# Altium PCB Urukul.PcbDoc (part 6 of 12) (continued)
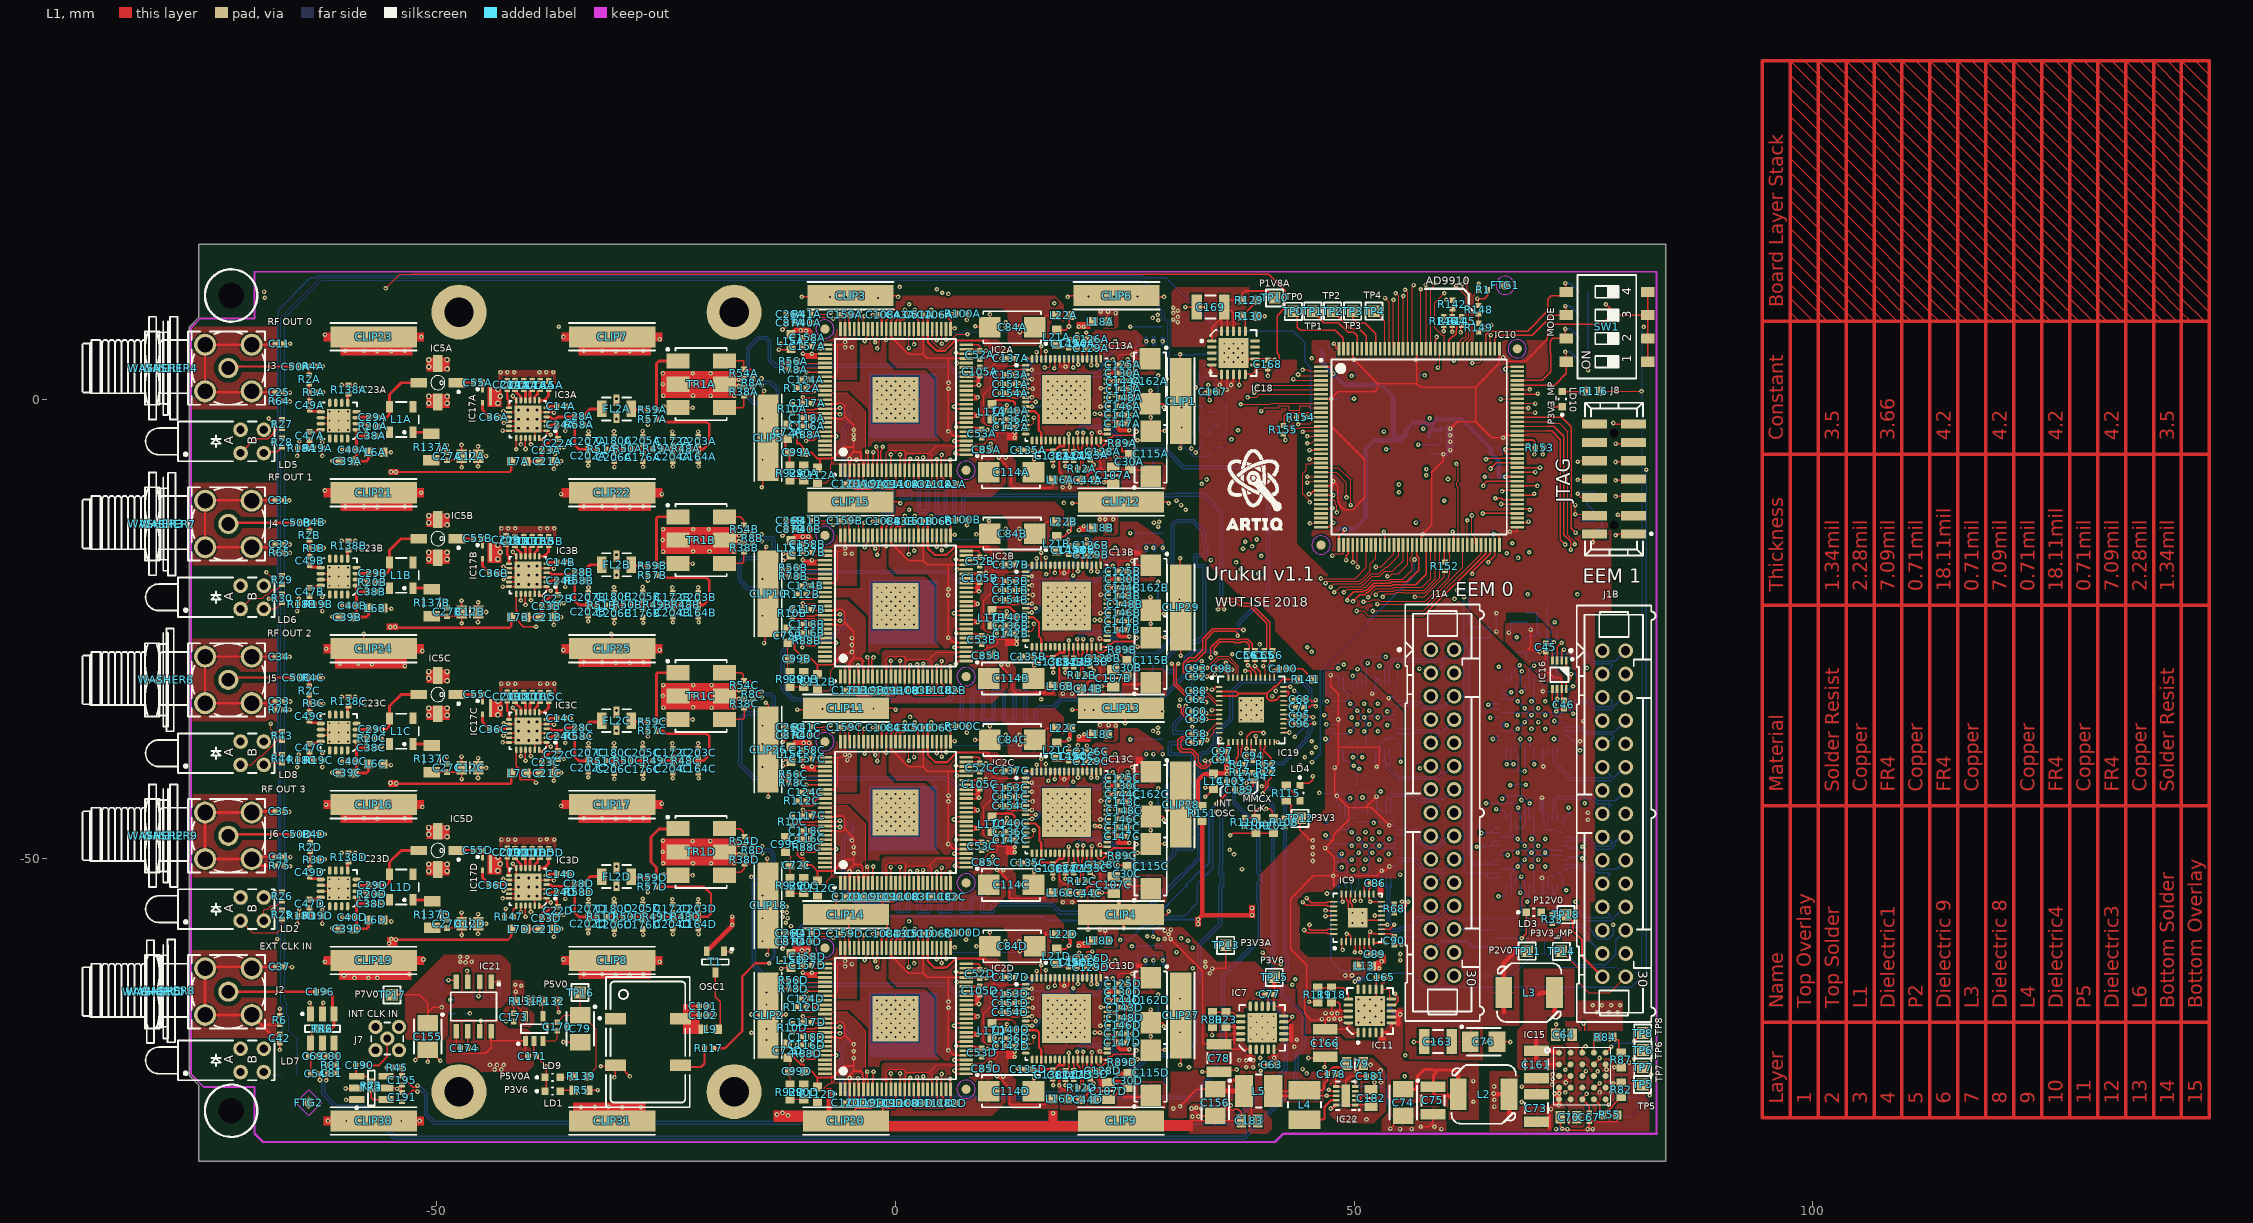
[diagram p0: L1 view]
## Nets (pads, with @x,y where several pads share a name; then routed paths per layer and width w, separated by ;. In a path a pad name is that pad's centre, name@x,y a point inside that pad or via, vN(x,y) a via of type N, cw(c..) or ccw(c..) an arc to the next point about the centre after c; other vN are vias at no path point) (continued)
-8.692,-26.542 -8.65,-26.5 IC2B.96@-7.7,-26.5 v1(-6.478,-26.5) ; R88A.1@-10.15,-3.803 -9.75,-4.203 ; C117D.1@-10.1,-67.878 v1@-10.1,-67.368 ; v1(-10.1,-67.228) v1@-10.1,-67.368 ; C158D.1@-10.1,-60.75 C157D.1@-10.1,-61.65 v1(-10.1,-62.478) -10.078,-62.5 v1(-9.125,-62.5) ; C117C.1@-10.1,-45.378 v1@-10.1,-44.868 ; v1(-10.1,-44.728) v1@-10.1,-44.868 ; C158C.1@-10.1,-38.25 C157C.1@-10.1,-39.15 v1(-10.1,-39.978) -10.078,-40 v1(-9.125,-40) ; C117B.1@-10.1,-22.878 v1@-10.1,-22.368 ; v1(-10.1,-22.228) v1@-10.1,-22.368 ; C158B.1@-10.1,-15.75 C157B.1@-10.1,-16.65 v1(-10.1,-17.478) -10.078,-17.5 v1(-9.125,-17.5) ; C117A.1@-10.1,-0.378 v1@-10.1,0.132 ; v1(-10.1,0.272) v1@-10.1,0.132 ; C158A.1@-10.1,6.75 C157A.1@-10.1,5.85 v1(-10.1,5.022) -10.078,5 v1(-9.125,5) ; v1(-9.75,-4.5) -9.75,-4.203 ; IC2D.88@-7.7,-67.5 -8.65,-67.5 -8.662,-67.488 -8.662,-67.473 -8.808,-67.328 -9.9,-67.328 -9.94,-67.368 v1@-10.1,-67.368 ; IC2D.79@-7.7,-63 -8.953,-63 -9.125,-62.828 v1(-9.125,-62.5) ; IC2D.78@-7.7,-62.5 v1(-9.125,-62.5) ; IC2C.88@-7.7,-45 -8.65,-45 -8.662,-44.988 -8.662,-44.973 -8.808,-44.828 -9.9,-44.828 -9.94,-44.868 v1@-10.1,-44.868 ; IC2C.79@-7.7,-40.5 -8.953,-40.5 -9.125,-40.328 v1(-9.125,-40) ; IC2C.78@-7.7,-40 v1(-9.125,-40) ; IC2B.88@-7.7,-22.5 -8.65,-22.5 -8.662,-22.488 -8.662,-22.473 -8.808,-22.328 -9.9,-22.328 -9.94,-22.368 v1@-10.1,-22.368 ; IC2B.79@-7.7,-18 -8.953,-18 -9.125,-17.828 v1(-9.125,-17.5) ; IC2B.78@-7.7,-17.5 v1(-9.125,-17.5) ; IC2A.88@-7.7,0 -8.65,0 -8.662,0.012 -8.662,0.027 -8.808,0.172 -9.9,0.172 -9.94,0.132 v1@-10.1,0.132 ; IC2A.79@-7.7,4.5 -8.953,4.5 -9.125,4.672 v1(-9.125,5) ; IC2A.78@-7.7,5 v1(-9.125,5) ; v1(-6.478,-4) IC2A.96@-7.7,-4 -8.65,-4 -8.692,-4.042 -8.692,-4.215 -8.891,-4.414 -9.538,-4.414 -9.601,-4.351 -9.75,-4.203 ; v1(-6.471,-54.042) -6.471,-55.081 CLIP14.1@-5.4,-56.153 ; IC2D.73@-5,-59.8 -5.075,-59.725 C159D.1@-5.075,-58.225 ; IC2C.73@-5,-37.3 -5.075,-37.225 C159C.1@-5.075,-35.725 -4.494,-35.725 -4.453,-35.725 -4.494,-35.766 v1(-4.494,-35.77) ; IC2B.73@-5,-14.8 -5.075,-14.725 C159B.1@-5.075,-13.225 -4.494,-13.225 -4.453,-13.225 -4.494,-13.266 v1(-4.494,-13.27) ; IC2A.73@-5,7.7 -5.075,7.775 C159A.1@-5.075,9.275 -4.494,9.275 -4.453,9.275 -4.494,9.234 v1(-4.494,9.23) ; CLIP15.1@-4.9,-11.153 0.389,-11.153 v1(0.529,-11.292) ; C120C.1@-4.525,-54.178 C120C.1@-4.449,-54.101 ; C120B.1@-4.525,-31.678 C120B.1@-4.449,-31.601 ; IC2D.4@-4.5,-75.2 -4.5,-76.55 C120D.1@-4.449,-76.601 ; IC2C.4@-4.5,-52.7 -4.5,-54.05 C120C.1@-4.449,-54.101 ; IC2B.4@-4.5,-30.2 -4.5,-31.55 C120B.1@-4.449,-31.601 ; IC2A.4@-4.5,-7.7 -4.5,-9.05 C120A.1@-4.449,-9.101 ; v1(-4.494,-58.27) -4.494,-58.266 -4.453,-58.225 -4.494,-58.225 C159D.1@-5.075,-58.225 ; v1(-4.093,-73.986) -4.093,-75.107 IC2D.5@-4,-75.2 -4,-76.153 C120D.1@-4.449,-76.601 ; v1(-4.093,-51.481) -4.093,-52.607 IC2C.5@-4,-52.7 -4,-53.653 C120C.1@-4.449,-54.101 ; v1(-4.093,-28.977) -4.093,-30.107 IC2B.5@-4,-30.2 -4,-31.153 C120B.1@-4.449,-31.601 ; IC2A.5@-4,-7.7 -4,-8.653 C120A.1@-4.449,-9.101 ; IC2D.65@-1,-59.8 -1,-58.827 -0.825,-58.652 C108D.1@-0.825,-58.253 -0.901,-58.176 -0.901,-57.038 -1.787,-56.153 CLIP14.1@-2.582,-56.153 ; v1(-1,-38.478) IC2C.65@-1,-37.3 -1,-36.348 -0.825,-36.173 C108C.1@-0.825,-35.753 ; v1(-1,-15.978) IC2B.65@-1,-14.8 -1,-13.869 -0.825,-13.694 C108B.1@-0.825,-13.253 ; v1(-1,6.522) IC2A.65@-1,7.7 -1,8.661 -0.825,8.836 C108A.1@-0.825,9.247 ; IC2D.13@0,-75.2 0.05,-75.25 0.05,-76.475 C110D.1@0.3,-76.725 0.3,-76.767 -0.196,-77.263 -1.004,-77.263 -1.032,-77.235 -1.5,-77.235 C109D.1@-1.5,-76.725 v1(-2.1,-76.725) -2.45,-76.725 -2.45,-77.092 -2.621,-77.263 -4.165,-77.263 -4.325,-77.103 ; IC2D.63@0,-59.8 0,-58.928 0.137,-58.791 0.525,-58.791 ; IC2C.13@0,-52.7 0.05,-52.75 0.05,-53.975 C110C.1@0.3,-54.225 0.3,-54.267 -0.196,-54.763 -1.004,-54.763 -1.032,-54.735 -1.5,-54.735 ; IC2C.63@0,-37.3 0,-36.428 0.137,-36.291 0.525,-36.291 ; IC2B.13@0,-30.2 0.05,-30.25 0.05,-31.475 C110B.1@0.3,-31.725 0.3,-31.767 -0.196,-32.263 -1.004,-32.263 -1.032,-32.235 -1.5,-32.235 C109B.1@-1.5,-31.725 v1(-2.1,-31.725) -2.45,-31.725 -2.45,-32.083 -2.631,-32.263 -4.131,-32.263 -4.325,-32.069 -4.325,-31.725 C120B.1@-4.449,-31.601 ; IC2B.63@0,-14.8 0,-13.928 0.137,-13.791 0.525,-13.791 ; IC2A.13@0,-7.7 0.05,-7.75 0.05,-8.975 C110A.1@0.3,-9.225 0.3,-9.267 -0.196,-9.763 -1.004,-9.763 -1.032,-9.735 -1.5,-9.735 C109A.1@-1.5,-9.225 v1(-2.1,-9.225) -2.45,-9.225 -2.45,-9.579 -2.634,-9.763 -4.45,-9.763 -4.525,-9.688 C120A.1@-4.525,-9.178 C120A.1@-4.449,-9.101 ; IC2A.63@0,7.7 0,8.572 0.137,8.709 0.525,8.709 ; v1(1.025,-57.678) C43D.1@1.025,-58.253 1.025,-58.763 0.557,-58.763 0.529,-58.791 0.525,-58.791 ; v1(1.025,-35.178) C43C.1@1.025,-35.753 1.025,-36.263 0.557,-36.263 0.529,-36.291 0.525,-36.291 ; v1(1.025,-12.678) C43B.1@1.025,-13.253 1.025,-13.763 0.557,-13.763 0.529,-13.791 0.525,-13.791 ; v1(1.025,9.822) C43A.1@1.025,9.247 1.025,8.737 0.557,8.737 0.529,8.709 0.525,8.709 ; IC2D.16@1.5,-75.2 1.5,-74.25 1.606,-74.144 v1(1.606,-73.945) ; IC2C.16@1.5,-52.7 1.5,-51.75 1.606,-51.644 v1(1.606,-51.445) ; IC2B.16@1.5,-30.2 1.5,-29.25 1.606,-29.144 v1(1.606,-28.945) ; IC2A.16@1.5,-7.7 1.5,-6.75 1.606,-6.644 v1(1.606,-6.445) ; v1(2.075,-57.678) C51D.1@2.075,-58.253 2.462,-58.64 2.462,-58.647 2.5,-58.685 IC2D.58@2.5,-59.8 ; v1(2.075,-35.178) C51C.1@2.075,-35.753 1.998,-35.753 2.037,-35.791 2.5,-36.254 IC2C.58@2.5,-37.3 ; v1(2.075,-12.678) C51B.1@2.075,-13.253 2.028,-13.253 2.051,-13.276 2.5,-13.725 IC2B.58@2.5,-14.8 ; v1(2.075,9.822) C51A.1@2.075,9.247 2.032,9.247 2.054,9.226 2.5,8.78 IC2A.58@2.5,7.7 ; v1(2.356,-73.87) 2.393,-73.87 2.5,-73.978 IC2D.18@2.5,-75.2 2.535,-75.235 2.535,-76.193 3,-76.658 C83D.1@3,-76.7 ; v1(2.356,-51.37) 2.393,-51.37 2.5,-51.478 IC2C.18@2.5,-52.7 2.535,-52.735 2.535,-53.693 3,-54.158 C83C.1@3,-54.2 ; v1(2.356,-28.87) 2.393,-28.87 2.5,-28.978 IC2B.18@2.5,-30.2 2.535,-30.235 2.535,-31.193 3,-31.658 C83B.1@3,-31.7 ; v1(2.356,-6.37) 2.393,-6.37 2.5,-6.478 IC2A.18@2.5,-7.7 2.535,-7.735 2.535,-8.693 3,-9.158 C83A.1@3,-9.2 ; v1(4.5,-74.003) IC2D.22@4.5,-75.2 4.55,-75.25 4.55,-76.45 C111D.1@4.8,-76.7 ; v1(4.5,-51.503) IC2C.22@4.5,-52.7 4.55,-52.75 4.55,-53.95 C111C.1@4.8,-54.2 ; v1(4.5,-29.003) IC2B.22@4.5,-30.2 4.55,-30.25 4.55,-31.45 C111B.1@4.8,-31.7 ; v1(4.5,-6.503) IC2A.22@4.5,-7.7 4.55,-7.75 4.55,-8.95 C111A.1@4.8,-9.2 ; C106D.1@4.8,-58.153 5.325,-58.153 6,-58.828 IC2D.51@6,-59.8 6.072,-59.728 v1(6.45,-59.728) ; C106C.1@4.8,-35.653 5.325,-35.653 6,-36.328 IC2C.51@6,-37.3 6.072,-37.228 v1(6.45,-37.228) ; C106B.1@4.8,-13.153 5.325,-13.153 6,-13.828 IC2B.51@6,-14.8 6.072,-14.728 v1(6.45,-14.728) ; C106A.1@4.8,9.347 5.325,9.347 6,8.672 IC2A.51@6,7.7 6.072,7.772 v1(6.45,7.772) ; v1(5.975,-74.053) 5.975,-75.175 IC2D.25@6,-75.2 6,-76.1 6.062,-76.162 6.104,-76.162 6.238,-76.296 6.238,-76.338 C82D.1@6.6,-76.7 ; v1(5.975,-51.553) 5.975,-52.675 IC2C.25@6,-52.7 6,-53.6 6.062,-53.662 6.104,-53.662 6.238,-53.796 6.238,-53.838 C82C.1@6.6,-54.2 ; v1(5.975,-29.053) 5.975,-30.175 IC2B.25@6,-30.2 6,-31.1 6.062,-31.162 6.104,-31.162 6.238,-31.296 6.238,-31.338 C82B.1@6.6,-31.7 ; v1(5.975,-6.553) 5.975,-7.675 IC2A.25@6,-7.7 6,-8.6 6.062,-8.662 6.104,-8.662 6.238,-8.796 6.238,-8.838 C82A.1@6.6,-9.2 ; v1(6.4,-72.003) 6.403,-72 IC2D.29@7.7,-72 ; v1(6.4,-49.503) 6.403,-49.5 IC2C.29@7.7,-49.5 ; v1(6.4,-27.003) 6.403,-27 IC2B.29@7.7,-27 ; v1(6.4,-4.503) 6.403,-4.5 IC2A.29@7.7,-4.5 ; v1(6.6,-62.403) 6.697,-62.5 IC2D.48@7.7,-62.5 8.753,-62.5 9.078,-62.175 C52D.1@9.175,-62.175 ; v1(6.6,-39.903) 6.697,-40 IC2C.48@7.7,-40 8.753,-40 9.078,-39.675 C52C.1@9.175,-39.675 ; v1(6.6,-17.403) 6.697,-17.5 IC2B.48@7.7,-17.5 8.753,-17.5 9.078,-17.175 C52B.1@9.175,-17.175 ; v1(6.6,5.097) 6.697,5 IC2A.48@7.7,5 8.753,5 9.078,5.325 C52A.1@9.175,5.325 ; v1(6.697,-63.5) IC2D.46@7.7,-63.5 ; v1(6.697,-41) IC2C.46@7.7,-41 ; v1(6.697,-18.5) IC2B.46@7.7,-18.5 ; v1(6.697,4) IC2A.46@7.7,4 ; 6.75,-28.542 6.779,-28.542 ; v1(7.687,-58.894) 7.79,-58.79 R100D.2@7.79,-58.103 ; IC2D.26@7.7,-73.5 6.526,-73.5 6.526,-73.248 v1(6.436,-73.158) 6.594,-73 IC2D.27@7.7,-73 ; IC2D.31@7.7,-71 8.697,-71 8.89,-70.807 8.89,-70.75 ; IC2D.33@7.7,-70 6.703,-70 6.625,-70.078 v1(6.625,-70.478) 6.647,-70.5 IC2D.32@7.7,-70.5 8.65,-70.5 8.647,-70.503 8.89,-70.745 8.89,-70.75 ; IC2D.34@7.7,-69.5 7.772,-69.428 8.8,-69.428 8.8,-69.403 v1(8.95,-69.253) 8.697,-69 IC2D.35@7.7,-69 ; IC2D.36@7.7,-68.5 6.597,-68.5 v1(6.375,-68.278) 6.4,-68.278 6.678,-68 IC2D.37@7.7,-68 ; IC2D.38@7.7,-67.5 8.822,-67.5 8.95,-67.372 v1(8.95,-67.253) 8.697,-67 IC2D.39@7.7,-67 ; IC2D.41@7.7,-66 9.003,-66 v1(9.1,-65.903) 9.1,-65.485 9.175,-65.41 ; IC2D.42@7.7,-65.5 9.003,-65.5 9.093,-65.41 9.175,-65.41 ; IC2D.43@7.7,-65 9.075,-65 C105D.1@9.175,-64.9 ; IC2D.44@7.7,-64.5 8.65,-64.5 8.65,-64.453 9.097,-64.9 C105D.1@9.175,-64.9 ; IC2D.49@7.7,-62 9,-62 C52D.1@9.175,-62.175 ; IC2D.50@7.7,-61.5 9.003,-61.5 9.168,-61.665 9.175,-61.665 C52D.1@9.175,-62.175 ; IC2C.26@7.7,-51 6.667,-51 v1(6.487,-50.82) 6.487,-50.758 6.75,-50.495 6.75,-50.5 IC2C.27@7.7,-50.5 ; IC2C.31@7.7,-48.5 8.697,-48.5 8.89,-48.307 8.89,-48.25 ; IC2C.33@7.7,-47.5 6.703,-47.5 6.625,-47.578 v1(6.625,-47.978) 6.647,-48 IC2C.32@7.7,-48 8.65,-48 8.647,-48.003 8.89,-48.245 8.89,-48.25 ; IC2C.34@7.7,-47 7.772,-46.928 8.8,-46.928 8.8,-46.903 v1(8.95,-46.753) 8.697,-46.5 IC2C.35@7.7,-46.5 ; IC2C.36@7.7,-46 6.597,-46 v1(6.375,-45.778) 6.4,-45.778 6.678,-45.5 IC2C.37@7.7,-45.5 ; IC2C.38@7.7,-45 8.822,-45 8.95,-44.872 v1(8.95,-44.753) 8.697,-44.5 IC2C.39@7.7,-44.5 ; IC2C.41@7.7,-43.5 9.003,-43.5 v1(9.1,-43.403) 9.1,-42.985 9.175,-42.91 ; IC2C.42@7.7,-43 9.003,-43 9.093,-42.91 9.175,-42.91 ; IC2C.43@7.7,-42.5 9.075,-42.5 C105C.1@9.175,-42.4 ; IC2C.44@7.7,-42 8.65,-42 8.65,-41.953 9.097,-42.4 C105C.1@9.175,-42.4 ; IC2C.49@7.7,-39.5 9,-39.5 C52C.1@9.175,-39.675 ; IC2C.50@7.7,-39 9.003,-39 9.168,-39.165 9.175,-39.165 C52C.1@9.175,-39.675 ; IC2B.26@7.7,-28.5 7.658,-28.542 6.779,-28.542 ; IC2B.27@7.7,-28 7.658,-28.042 6.6,-28.042 6.6,-28.721 6.779,-28.542 ; IC2B.31@7.7,-26 8.697,-26 8.89,-25.807 8.89,-25.75 ; IC2B.33@7.7,-25 6.703,-25 6.625,-25.078 v1(6.625,-25.478) 6.647,-25.5 IC2B.32@7.7,-25.5 8.65,-25.5 8.647,-25.503 8.89,-25.745 8.89,-25.75 ; IC2B.34@7.7,-24.5 7.772,-24.428 8.8,-24.428 8.8,-24.403 v1(8.95,-24.253) 8.697,-24 IC2B.35@7.7,-24 ; IC2B.36@7.7,-23.5 6.597,-23.5 v1(6.375,-23.278) 6.4,-23.278 6.678,-23 IC2B.37@7.7,-23 ; IC2B.38@7.7,-22.5 8.822,-22.5 8.95,-22.372 v1(8.95,-22.253) 8.697,-22 IC2B.39@7.7,-22 ; IC2B.41@7.7,-21 9.003,-21 v1(9.1,-20.903) 9.1,-20.485 9.175,-20.41 ; IC2B.42@7.7,-20.5 9.003,-20.5 9.093,-20.41 9.175,-20.41 ; IC2B.43@7.7,-20 9.075,-20 C105B.1@9.175,-19.9 ; IC2B.44@7.7,-19.5 8.65,-19.5 8.65,-19.453 9.097,-19.9 C105B.1@9.175,-19.9 ; IC2B.49@7.7,-17 9,-17 C52B.1@9.175,-17.175 ; IC2B.50@7.7,-16.5 9.003,-16.5 9.168,-16.665 9.175,-16.665 C52B.1@9.175,-17.175 ; IC2A.26@7.7,-6 6.69,-6 v1(6.512,-5.823) 6.6,-5.735 6.6,-5.5 IC2A.27@7.7,-5.5 ; IC2A.31@7.7,-3.5 8.697,-3.5 8.89,-3.307 8.89,-3.25 ; IC2A.33@7.7,-2.5 6.703,-2.5 6.625,-2.578 v1(6.625,-2.978) 6.647,-3 IC2A.32@7.7,-3 8.65,-3 8.647,-3.003 8.89,-3.245 8.89,-3.25 ; IC2A.34@7.7,-2 7.772,-1.928 8.8,-1.928 8.8,-1.903 v1(8.95,-1.753) 8.697,-1.5 IC2A.35@7.7,-1.5 ; IC2A.36@7.7,-1 6.597,-1 v1(6.375,-0.778) 6.4,-0.778 6.678,-0.5 IC2A.37@7.7,-0.5 ; IC2A.38@7.7,0 8.822,0 8.95,0.128 v1(8.95,0.247) 8.697,0.5 IC2A.39@7.7,0.5 ; IC2A.41@7.7,1.5 9.003,1.5 v1(9.1,1.597) 9.1,2.015 9.175,2.09 ; IC2A.42@7.7,2 9.003,2 9.093,2.09 9.175,2.09 ; IC2A.43@7.7,2.5 9.075,2.5 C105A.1@9.175,2.6 ; IC2A.44@7.7,3 8.768,3 8.781,2.987 8.788,2.987 C105A.1@9.175,2.6 ; IC2A.49@7.7,5.5 9,5.5 C52A.1@9.175,5.325 ; IC2A.50@7.7,6 9.003,6 9.168,5.835 9.175,5.835 C52A.1@9.175,5.325 ; v1(7.787,-36.294) 7.79,-36.29 R100C.2@7.79,-35.603 ; v1(7.787,-13.694) 7.79,-13.69 R100B.2@7.79,-13.103 ; v1(7.787,8.706) 7.79,8.71 R100A.2@7.79,9.397 ; v1(8.678,-37.103) C84C.2@10.27,-37.103 10.27,-35.61 v1(10.287,-35.594) ; v1(8.7,8.006) 8.809,7.897 C84A.2@10.27,7.897 10.27,9.29 v1(10.287,9.306) ; v1(8.82,-59.594) 10.261,-59.594 C84D.2@10.27,-59.603 10.27,-58.11 v1(10.287,-58.094) ; v1(8.82,-14.694) 10.179,-14.694 C84B.2@10.27,-14.603 10.27,-13.277 v1(10.187,-13.194) ; v1(9.85,-62.153) 9.828,-62.175 C52D.1@9.175,-62.175 ; v1(9.85,-39.653) 9.828,-39.675 C52C.1@9.175,-39.675 ; v1(9.85,-17.153) 9.828,-17.175 C52B.1@9.175,-17.175 ; v1(9.85,5.347) 9.828,5.325 C52A.1@9.175,5.325 ; v1(10.055,-70.777) 9.427,-70.777 C53D.1@9.4,-70.75 8.89,-70.75 ; v1(10.055,-48.277) 9.427,-48.277 C53C.1@9.4,-48.25 8.89,-48.25 ; v1(10.055,-25.777) 9.427,-25.777 C53B.1@9.4,-25.75 8.89,-25.75 ; v1(10.055,-3.277) 9.427,-3.277 C53A.1@9.4,-3.25 8.89,-3.25 ; C85D.1@10.327,-72.936 10.322,-72.931 10.322,-72.426 10.348,-72.4 v1(10.348,-72.32) ; C85C.1@10.327,-50.436 10.602,-50.161 v1(10.602,-49.815) ; C85B.1@10.327,-27.936 10.327,-27.927 v1(10.779,-27.476) ; C85A.1@10.327,-5.436 10.327,-4.807 10.327,-4.777 10.357,-4.807 v1(10.373,-4.807) ; v1@10.433,-49.917 v1@10.535,-49.815 ; v1(11.35,-65.778) 11.375,-65.803 C151D.1@12.04,-65.803 ; v1(11.35,-43.278) 11.375,-43.303 C151C.1@12.04,-43.303 ; v1(11.35,-20.778) 11.375,-20.803 C151B.1@12.04,-20.803 ; v1(11.35,1.722) 11.375,1.697 C151A.1@12.04,1.697 ; v1(11.375,-66.778) 11.4,-66.803 C154D.1@12.04,-66.803 12.087,-66.85 12.087,-67.254 12.484,-67.254 12.546,-67.316 12.793,-67.316 12.818,-67.341 13.344,-67.341 13.435,-67.25 IC13D.8@14.19,-67.25 14.193,-67.253 v1(14.875,-67.253) ; v1(11.375,-44.278) 11.4,-44.303 C154C.1@12.04,-44.303 12.087,-44.35 12.087,-44.769 12.499,-44.769 12.546,-44.816 12.874,-44.816 12.899,-44.841 13.344,-44.841 13.435,-44.75 IC13C.8@14.19,-44.75 14.193,-44.753 v1(14.875,-44.753) ; v1(11.375,-21.778) 11.4,-21.803 C154B.1@12.04,-21.803 12.087,-21.85 12.087,-22.269 12.499,-22.269 12.546,-22.316 12.63,-22.316 12.655,-22.341 13.344,-22.341 13.435,-22.25 IC13B.8@14.19,-22.25 14.193,-22.253 v1(14.875,-22.253) ; v1(11.375,0.722) 11.4,0.697 C154A.1@12.04,0.697 12.087,0.65 12.087,0.259 12.471,0.259 12.546,0.184 12.959,0.184 12.984,0.159 13.344,0.159 13.435,0.25 IC13A.8@14.19,0.25 14.193,0.247 v1(14.875,0.247) ; v1(11.426,-69.761) 11.992,-69.761 C136D.1@12.119,-69.634 12.119,-70.472 C142D.1@12.094,-70.497 ; v1(11.426,-47.261) 11.992,-47.261 C136C.1@12.119,-47.134 12.119,-47.972 C142C.1@12.094,-47.997 ; v1(11.426,-24.761) 11.992,-24.761 C136B.1@12.119,-24.634 12.119,-25.472 C142B.1@12.094,-25.497 ; v1(11.426,-2.261) 11.992,-2.261 C136A.1@12.119,-2.134 12.119,-2.972 C142A.1@12.094,-2.997 ; v1(11.515,-63.018) 11.55,-63.018 11.59,-62.978 C137D.1@12.1,-62.978 ; v1(11.515,-40.518) 11.55,-40.518 11.59,-40.478 C137C.1@12.1,-40.478 ; v1(11.515,-18.018) 11.55,-18.018 11.59,-17.978 C137B.1@12.1,-17.978 ; v1(11.515,4.482) 11.55,4.482 11.59,4.522 C137A.1@12.1,4.522 ; C153D.1@12.04,-64.803 12.175,-64.668 12.175,-64.278 12.203,-64.25 IC13D.2@14.19,-64.25 14.193,-64.253 v1(14.85,-64.253) ; C153C.1@12.04,-42.303 12.175,-42.168 12.175,-41.778 12.203,-41.75 IC13C.2@14.19,-41.75 14.193,-41.753 v1(14.85,-41.753) ; C153B.1@12.04,-19.803 12.175,-19.668 12.175,-19.278 12.203,-19.25 IC13B.2@14.19,-19.25 14.193,-19.253 v1(14.85,-19.253) ; C153A.1@12.04,2.697 12.175,2.832 12.175,3.222 12.203,3.25 IC13A.2@14.19,3.25 14.193,3.247 v1(14.85,3.247) ; C140D.1@12.14,-68.703 12.14,-68.113 v1(12.15,-68.103) ; C140C.1@12.14,-46.203 12.14,-45.613 v1(12.15,-45.603) ; C140B.1@12.14,-23.703 12.14,-23.113 v1(12.15,-23.103) ; C140A.1@12.14,-1.203 12.14,-0.613 v1(12.15,-0.603) ; v1(13.354,-50.526) 13.369,-50.512 C135C.1@14.05,-50.512 ; v1(13.357,-72.961) 13.408,-73.012 C135D.1@14.05,-73.012 ; v1(13.357,-5.461) 13.408,-5.512 C135A.1@14.05,-5.512 ; v1(13.462,-28.194) 13.462,-28.066 13.408,-28.012 13.462,-28.012 C135B.1@14.05,-28.012 ; v1(13.535,-75.399) C114D.2@15.045,-75.399 15.045,-74.042 v1(15.109,-73.977) ; v1(13.535,-52.899) C114C.2@15.045,-52.899 15.045,-51.542 v1(15.109,-51.477) ; v1(13.535,-30.399) C114B.2@15.045,-30.399 15.045,-29.042 v1(15.109,-28.977) ; v1(13.535,-7.899) C114A.2@15.045,-7.899 15.045,-6.542 v1(15.109,-6.477) ; IC13D.6@14.19,-66.25 14.137,-66.303 14.19,-66.303 v1(14.95,-66.303) ; IC13D.4@14.19,-65.25 14.872,-65.25 v1(14.875,-65.253) ; IC13C.6@14.19,-43.75 14.137,-43.803 14.19,-43.803 v1(14.95,-43.803) ; IC13C.4@14.19,-42.75 14.872,-42.75 v1(14.875,-42.753) ; IC13B.6@14.19,-21.25 14.137,-21.303 14.19,-21.303 v1(14.95,-21.303) ; IC13B.4@14.19,-20.25 14.872,-20.25 v1(14.875,-20.253) ; IC13A.6@14.19,1.25 14.137,1.197 14.19,1.197 v1(14.95,1.197) ; IC13A.4@14.19,2.25 14.872,2.25 v1(14.875,2.247) ; C114D.2@15.875,-74.728 C114D.2@15.89,-74.713 ; C114C.2@15.875,-52.228 C114C.2@15.89,-52.213 ; C114B.2@15.875,-29.728 C114B.2@15.89,-29.713 ; C114A.2@15.875,-7.228 C114A.2@15.89,-7.213 ; C138D.1@17.15,-74.053 17.2,-74.103 v1(17.2,-74.753) ; C138C.1@17.15,-51.553 17.2,-51.603 v1(17.2,-52.253) ; C138B.1@17.15,-29.053 17.2,-29.103 v1(17.2,-29.753) ; C138A.1@17.15,-6.553 17.2,-6.603 v1(17.2,-7.253) ; 17.183,-78.907 v1(17.183,-77.815) ; IC13D.58@17.89,-63.05 17.89,-63.768 18.025,-63.903 v1(18.4,-63.903) ; IC13C.58@17.89,-40.55 17.89,-41.268 18.025,-41.403 v1(18.4,-41.403) ; IC13B.58@17.89,-18.05 17.89,-18.768 18.025,-18.903 v1(18.4,-18.903) ; IC13A.58@17.89,4.45 17.89,3.732 18.037,3.586 v1@18.412,3.586 ; IC13D.57@18.39,-63.05 18.39,-63.893 v1(18.4,-63.903) ; IC13C.57@18.39,-40.55 18.39,-41.393 v1(18.4,-41.403) ; IC13B.57@18.39,-18.05 18.39,-18.893 v1(18.4,-18.903) ; IC13A.57@18.39,4.45 18.39,3.607 v1@18.412,3.586 ; v1(18.5,-74.753) 18.54,-74.713 C134D.1@18.54,-74.103 C127D.1@19.44,-74.103 ; v1(18.5,-52.253) 18.54,-52.213 C134C.1@18.54,-51.603 C127C.1@19.44,-51.603 ; v1(18.5,-29.753) 18.54,-29.713 C134B.1@18.54,-29.103 C127B.1@19.44,-29.103 ; v1(18.5,-7.253) 18.54,-7.213 C134A.1@18.54,-6.603 C127A.1@19.44,-6.603 ; v1(18.778,-15.292) 18.81,-15.292 18.89,-15.212 18.89,-15.292 C149B.1@18.89,-15.953 19.758,-15.953 C150B.1@19.791,-15.92 ; v1(18.779,11.208) 18.918,11.347 21.044,11.347 23.813,11.347 CLIP6.1@24.1,11.347 24.239,11.208 26.378,11.208 v1(29.279,11.208) ; v1(18.887,-37.794) 18.887,-38.449 C149C.1@18.89,-38.453 ; IC13D.56@18.89,-63.05 18.89,-63.788 18.775,-63.903 v1(18.4,-63.903) ; C149D.1@18.89,-60.953 19.758,-60.953 C150D.1@19.791,-60.92 19.779,-60.908 19.779,-60.41 19.897,-60.292 v1(20.028,-60.292) ; IC13C.56@18.89,-40.55 18.89,-41.288 18.775,-41.403 v1(18.4,-41.403) ; IC13B.56@18.89,-18.05 18.89,-18.788 18.775,-18.903 v1(18.4,-18.903) ; IC13A.56@18.89,4.45 18.89,3.712 18.763,3.586 v1(18.538,3.586) v1@18.412,3.586 ; C149A.1@18.89,6.547 19.758,6.547 C150A.1@19.791,6.58 19.791,7.099 v1(19.834,7.143) ; v1(19.279,-33.792) 20.638,-33.792 21.578,-33.792 24.46,-33.792 CLIP13.1@24.6,-33.653 25.029,-34.081 v1(25.029,-35.292) ; v1(19.279,-11.292) 24.46,-11.292 CLIP12.1@24.6,-11.153 29.639,-11.153 v1(29.779,-11.292) ; C150C.1@19.791,-38.42 19.791,-37.697 19.794,-37.694 v1(19.887,-37.694) ; v1(20.792,7.306) 20.792,7.286 20.84,7.237 C126A.1@20.84,6.6 20.89,6.55 20.89,5.597 IC13A.52@20.89,4.45 ; v1(20.875,-37.728) 20.84,-37.763 C126C.1@20.84,-38.4 20.89,-38.45 20.89,-39.403 IC13C.52@20.89,-40.55 ; v1(20.875,-15.228) 20.84,-15.263 C126B.1@20.84,-15.9 20.89,-15.95 20.89,-16.903 IC13B.52@20.89,-18.05 ; IC13D.52@20.89,-63.05 20.89,-61.903 20.89,-60.95 C126D.1@20.84,-60.9 20.84,-60.263 20.915,-60.188 v1(21.449,-60.188) ; v1(20.993,-57.774) 20.993,-56.987 21.451,-56.53 24.223,-56.53 CLIP4.1@24.6,-56.153 ; C133D.1@21.25,-74.028 21.701,-74.479 21.701,-74.501 v1(21.625,-74.578) ; C133C.1@21.25,-51.528 21.701,-51.979 21.701,-52.001 v1(21.625,-52.078) ; C133B.1@21.25,-29.028 21.701,-29.479 21.701,-29.501 v1(21.625,-29.578) ; C133A.1@21.25,-6.528 21.701,-6.979 21.701,-7.001 v1(21.625,-7.078) ; v1(22.282,-71.045) 22.282,-71.08 22.453,-71.25 IC13D.33@23.09,-71.25 ; v1(22.282,-48.545) 22.282,-48.58 22.453,-48.75 IC13C.33@23.09,-48.75 ; v1(22.282,-26.045) 22.282,-26.08 22.453,-26.25 IC13B.33@23.09,-26.25 ; v1(22.282,-3.545) 22.394,-3.545 22.599,-3.75 IC13A.33@23.09,-3.75 ; v1(22.35,-68.278) 23.062,-68.278 IC13D.39@23.09,-68.25 ; v1(22.35,-45.778) 23.062,-45.778 IC13C.39@23.09,-45.75 ; v1(22.35,-23.278) 23.062,-23.278 IC13B.39@23.09,-23.25 ; v1(22.35,-0.778) 23.062,-0.778 IC13A.39@23.09,-0.75 ; v1(22.4,-66.253) 23.087,-66.253 IC13D.43@23.09,-66.25 ; v1(22.4,-43.753) 23.087,-43.753 IC13C.43@23.09,-43.75 ; v1(22.4,-21.253) 23.087,-21.253 IC13B.43@23.09,-21.25 ; v1(22.4,1.247) 23.087,1.247 IC13A.43@23.09,1.25 ; C128D.1@23.075,-73.128 23.1,-73.103 C128D.1@23.15,-73.103 ; C128C.1@23.075,-50.628 23.1,-50.603 C128C.1@23.15,-50.603 ; C128B.1@23.075,-28.128 23.1,-28.103 C128B.1@23.15,-28.103 ; C128A.1@23.075,-5.628 23.1,-5.603 C128A.1@23.15,-5.603 ; C128D.1@23.15,-73.328 23.15,-73.203 C128D.1@23.15,-73.103 ; C128C.1@23.15,-50.828 23.15,-50.703 C128C.1@23.15,-50.603 ; C128B.1@23.15,-28.328 23.15,-28.203 C128B.1@23.15,-28.103 ; C128A.1@23.15,-5.828 23.15,-5.703 C128A.1@23.15,-5.603 ; v1(23.582,-72.795) 23.275,-73.103 C128D.1@23.15,-73.103 ; v1(23.582,-50.295) 23.275,-50.603 C128C.1@23.15,-50.603 ; v1(23.582,-27.795) 23.275,-28.103 C128B.1@23.15,-28.103 ; v1(23.582,-5.295) 23.275,-5.603 C128A.1@23.15,-5.603 ; v1(24.333,-54.753) 24.333,-55.777 24.279,-55.831 CLIP4.1@24.6,-56.153 ; CLIP9.1@24.381,-79.522 24.381,-78.872 CLIP9.1@24.6,-78.653 34.3,-78.653 C156.2@34.85,-78.103 ; C147D.1@25.175,-70.103 25.175,-69.178 C141D.1@25.2,-69.153 25.775,-69.153 v1(25.8,-69.128) ; C147C.1@25.175,-47.603 25.175,-46.678 C141C.1@25.2,-46.653 25.775,-46.653 v1(25.8,-46.628) ; C147B.1@25.175,-25.103 25.175,-24.178 C141B.1@25.2,-24.153 25.775,-24.153 v1(25.8,-24.128) ; C147A.1@25.175,-2.603 25.175,-1.678 C141A.1@25.2,-1.653 25.775,-1.653 v1(25.8,-1.628) ; R89D.2@25.22,-72.253 25.299,-72.174 v1(25.777,-72.174) ; R89C.2@25.22,-49.753 25.553,-49.42 v1(26.387,-49.42) 26.853,-49.42 C115C.2@27.82,-48.453 ; R89B.2@25.22,-27.253 25.299,-27.174 v1(25.777,-27.174) ; R89A.2@25.22,-4.753 25.299,-4.674 v1(25.777,-4.674) ; C130D.1@25.24,-64.603 25.875,-64.603 v1(25.9,-64.628) ; C125D.1@25.24,-63.703 25.24,-63.179 v1(25.308,-63.111) v1@25.442,-63.111 ; C130C.1@25.24,-42.103 25.875,-42.103 v1(25.9,-42.128) ; C125C.1@25.24,-41.203 25.24,-40.679 v1(25.308,-40.611) v1@25.442,-40.611 ; C130B.1@25.24,-19.603 25.875,-19.603 25.904,-19.573 v1(25.904,-19.554) ; C125B.1@25.24,-18.703 25.24,-18.135 v1(25.32,-18.055) 25.386,-18.055 v1@25.442,-18.111 ; C130A.1@25.24,2.897 25.875,2.897 v1(25.9,2.872) ; C125A.1@25.24,3.797 25.24,4.321 v1(25.308,4.389) v1@25.442,4.389 ; v1(25.85,-68.203) 25.237,-68.203 25.17,-68.203 25.17,-67.403 25.17,-66.303 25.17,-65.573 C144D.1@25.24,-65.503 v1(25.9,-65.503) ; v1(25.85,-45.703) 25.237,-45.703 25.17,-45.703 25.17,-44.812 25.17,-43.872 25.17,-43.073 C144C.1@25.24,-43.003 v1(25.9,-43.003) ; v1(25.85,-23.203) 25.237,-23.203 25.17,-23.203 25.17,-22.303 25.17,-21.382 25.17,-20.573 C144B.1@25.24,-20.503 v1(25.9,-20.503) ; v1(25.85,-0.703) 25.237,-0.703 25.17,-0.703 25.17,0.209 25.17,1.123 25.17,1.927 25.24,1.997 25.313,1.997 25.941,1.997 v1(25.956,2.012) ; v1(26.387,-71.92) 26.853,-71.92 C115D.2@27.82,-70.953 ; v1(26.387,-26.92) 26.853,-26.92 C115B.2@27.82,-25.953 ; v1(26.387,-4.42) 26.853,-4.42 C115A.2@27.82,-3.453 ; v1@27.759,-21.379 v1@27.809,-21.429 ; v1@27.809,-66.429 27.82,-66.44 v1(27.82,-66.511) C162D.2@27.82,-67.953 ; v1(27.81,-21.534) 27.81,-21.48 27.784,-21.455 v1@27.81,-21.429 ; v1(27.81,0.971) 27.81,1.071 v1@27.82,1.082 ; v1@27.861,1.123 v1@27.82,1.082 ; v1(29.257,-68.338) 29.232,-68.313 29.232,-68.039 29.145,-67.953 C162D.2@27.82,-67.953 ; v1(29.257,-45.838) 29.232,-45.813 29.232,-45.539 29.145,-45.453 C162C.2@27.82,-45.453 ; v1(29.257,-23.338) 29.232,-23.313 29.232,-23.039 29.145,-22.953 C162B.2@27.82,-22.953 ; v1(29.257,-0.838) 29.232,-0.813 29.232,-0.539 29.145,-0.453 C162A.2@27.82,-0.453 ; v1(29.359,-70.904) 27.869,-70.904 C115D.2@27.82,-70.953 ; v1(29.359,-48.404) 27.869,-48.404 C115C.2@27.82,-48.453 ; v1(29.359,-25.904) 27.869,-25.904 C115B.2@27.82,-25.953 ; v1(29.359,-3.404) 27.869,-3.404 C115A.2@27.82,-3.453 ; v1(29.6,-44.792) 30.46,-44.792 CLIP28.1@31.1,-44.153 ; v1(29.779,-55.792) 29.779,-55.924 29.55,-56.153 CLIP4.1@24.6,-56.153 ; v1(31.029,-72.542) 31.1,-72.471 31.1,-68.981 CLIP27.1@31.1,-67.153 ; v1(31.029,-17.292) 31.029,-21.757 31.029,-22.581 CLIP29.1@31.1,-22.653 31.1,-27.721 31.029,-27.792 31.112,-27.875 v1(31.112,-27.909) ; v1(31.029,-5.292) 31.1,-5.221 31.1,-3.037 31.1,-0.853 CLIP1.1@31.1,-0.153 31.029,-0.081 v1(31.029,4.958) ; v1(31.6,10.097) C169.1@32.85,10.097 v1(33.85,10.097) ; v1(32.279,-77.292) 33.089,-78.103 C156.2@34.85,-78.103 ; v1(33.45,-73.292) 34.861,-73.292 35.05,-73.103 35.279,-73.103 37.128,-73.103 v1(37.189,-73.042) ; v1(33.744,0.722) 34.024,0.722 C167.2@34.15,0.847 ; v1(34.1,1.597) 34.15,1.547 C167.2@34.15,0.847 ; v1(34.252,-0.04) 34.15,0.062 C167.2@34.15,0.847 ; v1(34.5,-33.853) 34.525,-33.828 IC19.6@35.3,-33.828 ; v1(34.528,-69.292) R80.1@34.528,-68.425 ; v1(34.833,-29.978) 34.833,-29.787 C98.1@35.167,-29.453 ; C98.1@35.011,-29.491 C98.1@35.15,-29.353 ; C91.1@35.259,-39.264 35.25,-39.255 C97.1@35.25,-38.353 35.25,-37.183 v1(35.429,-37.003) ; v1(36.573,-76.957) 36.573,-77.015 36.6,-77.042 36.177,-77.465 36.807,-77.465 36.916,-77.356 37.378,-77.356 37.7,-77.677 C183.1@37.7,-78.653 35.4,-78.653 C156.2@34.85,-78.103 ; R110.2@38.008,-46.54 R110.2@38.071,-46.54 40.256,-46.54 ; v1(38.141,-29.576) 38.606,-29.576 38.8,-29.769 IC19.39@38.8,-30.328 ; v1(38.313,-38.768) 38.313,-38.998 38.588,-39.273 38.97,-39.273 C94.1@39,-39.303 ; IC18.21@38.472,3.989 38.472,4.447 IC18.12@39.2,4.447 40.6,4.447 41.25,4.447 v1(41.35,4.347) ; R130.1@39.4,9.097 v1(40.25,9.097) ; v1(39.529,-64.792) 39.589,-64.853 C77.1@40.35,-64.853 40.637,-65.139 IC7.12@40.637,-66.144 ; v1(39.779,-72.542) C63.2@40.329,-72.542 ; v1(40.256,-46.07) 40.256,-46.54 ; IC19.22@41.35,-37.378 IC19.22@41.3,-37.328 41.672,-37.328 v1(41.678,-37.334) ; R108.2@42.415,-46.566 42.389,-46.54 40.256,-46.54 ; C100.1@42.75,-29.353 v1(43.425,-29.353) 44.353,-29.353 45.5,-30.5 R141.1@45.55,-30.5 ; LD4.1@44.1,-42.078 44.345,-41.833 45.086,-41.833 45.5,-41.419 v1(45.5,-41.053) ; v1(45.028,-71.792) 45.3,-71.792 46.711,-71.792 C166.1@46.85,-71.653 46.85,-72.721 v1(46.779,-72.792) ; v1(45.1,-65.653) 45.15,-65.703 R119.1@46.05,-65.703 ; IC10.36@46.4,-13.903 47.252,-13.903 47.75,-13.405 v1(47.75,-13.403) ; IC10.29@46.4,-10.403 v1(47.75,-10.403) ; v1(47.8,6.097) 48,5.897 48,5.547 IC10.144@48.35,5.547 ; C178.1@47.979,-73.542 47.979,-74.831 IC22.6@48.05,-74.903 48.77,-74.903 IC22.11@49.1,-75.233 ; IC9.2@49.14,-59.1 49.14,-58.313 v1(49.2,-58.253) 49.401,-58.253 49.64,-58.492 IC9.3@49.64,-59.1 ; IC9.23@49.14,-53.9 49.14,-54.499 49.381,-54.74 49.381,-55.534 49.819,-55.971 49.819,-55.95 49.819,-55.059 49.598,-54.838 49.598,-53.942 IC9.22@49.64,-53.9 ; v1(50.279,-73.292) 51,-72.571 C179.1@51,-72.403 51.725,-72.403 51.8,-72.478 v1(51.8,-72.542) ; IC9.33@50.39,-56.5 50.64,-56.75 50.94,-56.75 IC9.12@52.99,-56.75 ; IC9.6@51.14,-59.1 51.14,-59.793 C89.1@51.825,-60.478 51.725,-60.578 51.3,-60.578 v1(51.224,-60.654) ; C181.1@51.329,-73.792 49.589,-73.792 49.1,-74.281 IC22.11@49.1,-75.233 ; v1(51.737,-66.661) v1(52.337,-66.061) 52.44,-65.957 52.44,-64.311 C165.1@52.44,-63 ; C182.1@51.85,-77.053 51.7,-76.903 IC22.1@50.15,-76.903 49.43,-76.903 49.1,-76.573 IC22.11@49.1,-75.903 IC22.11@49.1,-75.233 ; C86.1@52.736,-52.745 52.736,-53.492 52.845,-53.601 52.82,-53.601 52.82,-54.011 v1(52.862,-54.054) ; v1(53.25,-14.403) 53.35,-14.503 IC10.47@53.35,-15.853 ; v1(53.967,-79.486) 54.313,-79.14 54.313,-78.788 54.482,-78.618 54.822,-78.618 54.992,-78.448 55.004,-78.448 C74.2@55.35,-78.103 ; C90.1@54.39,-59.45 55.128,-59.45 v1(55.15,-59.428) ; v1(56.529,-70.042) 56.571,-70 C163.1@57.64,-70 v1(58.64,-70) ; v1(57.279,-79.292) 58.139,-79.292 58.6,-78.831 ; v1(57.7,2.647) v1@57.75,2.597 ; C75.1@58.6,-77.903 58.6,-78.831 ; v1(58.779,-79.292) 58.6,-79.113 58.6,-78.831 ; IC10.123@58.85,5.547 58.85,6.497 59,6.647 v1(59,6.847) ; v1(60.75,-14.403) 60.85,-14.503 IC10.62@60.85,-15.853 ; R149.1@63.602,7.379 63.818,7.595 64.112,7.595 64.162,7.645 v1(64.237,7.645) ; v1(64.279,-70) C76.2@65.59,-70 66.987,-70 v1(67.029,-70.042) ; v1(65.25,-14.653) 65.6,-14.653 65.85,-14.903 IC10.72@65.85,-15.853